# KiCad board DIP8breakout+potToUSB.kicad_pcb (continued)
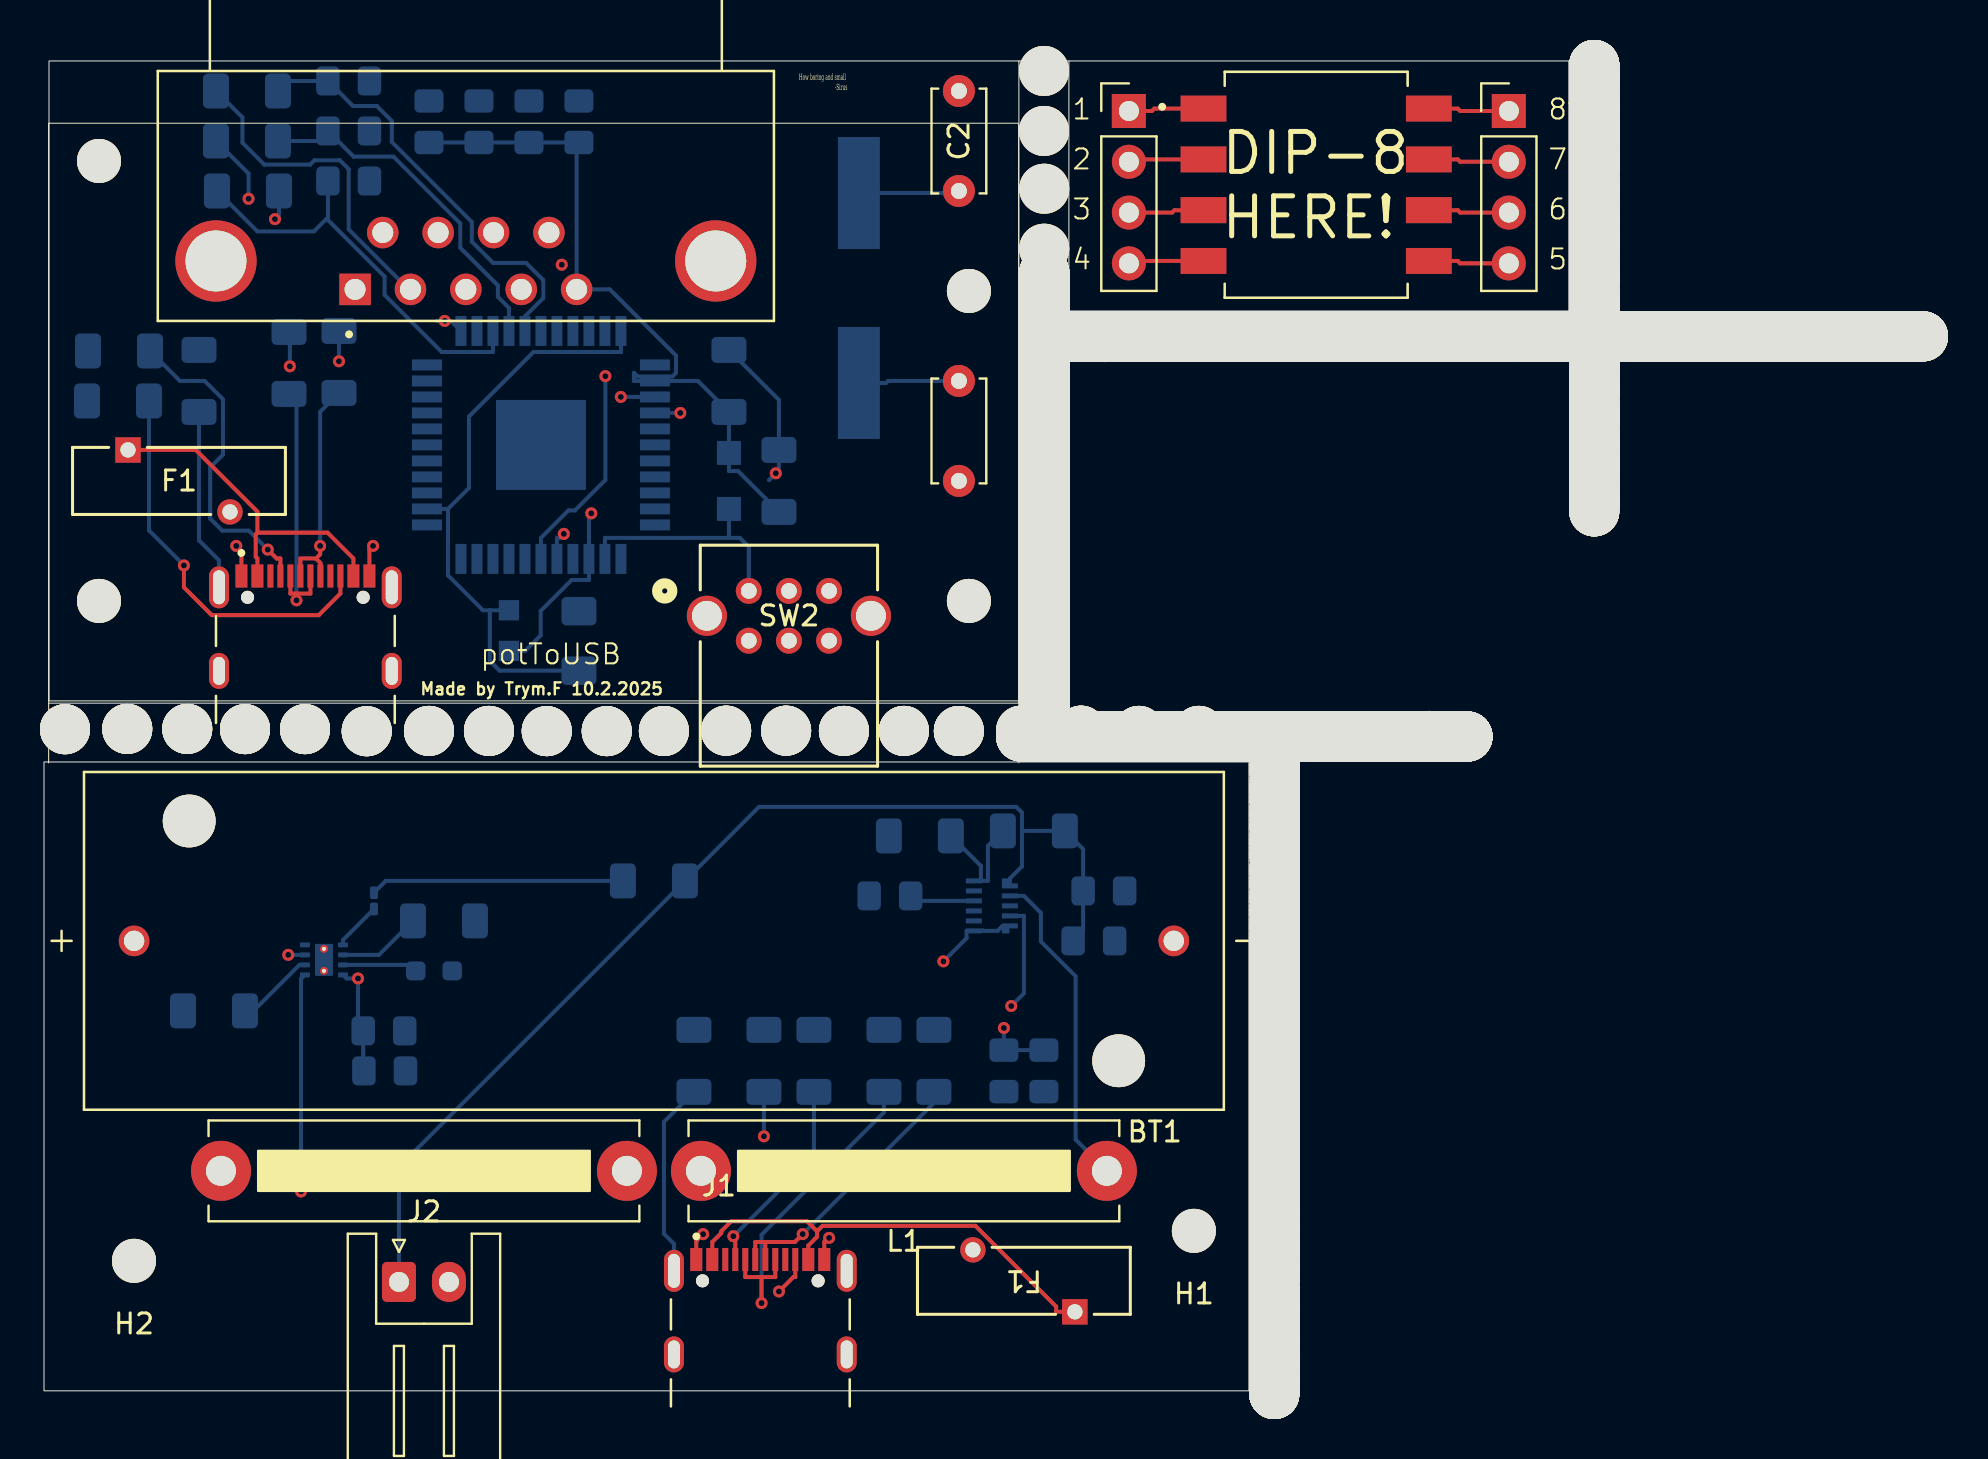
[diagram p0: board, top side]
## Placement (name value [footprint] x y rotation side) (continued)
NOREF#4963  -  [unnamed]  61.52 4.2 270 top
NOREF#4964  -  [unnamed]  61.55 11.61 90 top
NOREF#4965  -  [unnamed]  77.52 66.1 90 top
NOREF#4966  -  [unnamed]  61.55 12.77 90 top
NOREF#4967  -  [unnamed]  69.42 52.73 180 top
NOREF#4968  -  [unnamed]  56.96 52.73 180 top
NOREF#4969  -  [unnamed]  56.56 32.72 0 top
NOREF#4970  -  [unnamed]  61.55 25.89 90 top
NOREF#4971  -  [unnamed]  52.18 52.73 180 top
NOREF#4972  -  [unnamed]  61.55 17.71 90 top
NOREF#4973  -  [unnamed]  63.94 32.72 0 top
NOREF#4974  -  [unnamed]  61.55 23.33 90 top
NOREF#4975  -  [unnamed]  61.52 15.66 270 top
NOREF#4976  -  [unnamed]  72.5 52.73 180 top
NOREF#4977  -  [unnamed]  58.66 32.72 0 top
NOREF#4978  -  [unnamed]  63.74 32.72 0 top
NOREF#4979  -  [unnamed]  50.02 54.51 90 top
NOREF#4980  -  [unnamed]  58.12 32.72 0 top
NOREF#4981  -  [unnamed]  91 52.73 180 top
NOREF#4982  -  [unnamed]  61.55 10.87 90 top
NOREF#4983  -  [unnamed]  59.72 32.72 0 top
NOREF#4984  -  [unnamed]  77.52 56.84 90 top
NOREF#4985  -  [unnamed]  50.02 41.49 90 top
NOREF#4986  -  [unnamed]  61.55 16.11 90 top
NOREF#4987  -  [unnamed]  61.52 4.4 270 top
NOREF#4988  -  [unnamed]  50.02 53.65 90 top
NOREF#4989  -  [unnamed]  68.72 32.72 0 top
NOREF#4990  -  [unnamed]  63.94 32.72 0 top
NOREF#4991  -  [unnamed]  61.52 7.74 270 top
NOREF#4992  -  [unnamed]  50.02 36.25 90 top
NOREF#4993  -  [unnamed]  70.32 32.72 0 top
NOREF#4994  -  [unnamed]  61.55 14.17 90 top
NOREF#4995  -  [unnamed]  77.52 50.48 90 top
NOREF#4996  -  [unnamed]  70.98 52.73 180 top
NOREF#4997  -  [unnamed]  77.52 57.9 90 top
NOREF#4998  -  [unnamed]  61.52 19 270 top
NOREF#4999  -  [unnamed]  61.55 29.87 90 top
NOREF#5000  -  [unnamed]  76.2 52.73 180 top
NOREF#5001  -  [unnamed]  51.12 32.72 0 top
NOREF#5002  -  [unnamed]  88.54 52.73 180 top
NOREF#5003  -  [unnamed]  50.02 53.85 90 top
NOREF#5004  -  [unnamed]  61.12 52.73 180 top
NOREF#5005  -  [unnamed]  61.55 26.09 90 top
NOREF#5006  -  [unnamed]  77.52 63.54 90 top
NOREF#5007  -  [unnamed]  79.28 52.73 180 top
NOREF#5008  -  [unnamed]  50.02 51.35 90 top
NOREF#5009  -  [unnamed]  61.55 22.67 90 top
NOREF#5010  -  [unnamed]  61.52 9.3 270 top
NOREF#5011  -  [unnamed]  77.52 47.14 90 top
NOREF#5012  -  [unnamed]  61.55 19.41 90 top
NOREF#5013  -  [unnamed]  61.55 11.41 90 top
NOREF#5014  -  [unnamed]  61.55 30.33 90 top
NOREF#5015  -  [unnamed]  83.3 52.73 180 top
NOREF#5016  -  [unnamed]  63.04 52.73 180 top
NOREF#5017  -  [unnamed]  54.08 52.73 180 top
NOREF#5018  -  [unnamed]  61.52 17.6 270 top
NOREF#5019  -  [unnamed]  72.24 52.73 180 top
NOREF#5020  -  [unnamed]  61.52 18.34 270 top
NOREF#5021  -  [unnamed]  61.52 16.74 270 top
NOREF#5022  -  [unnamed]  73.04 52.73 180 top
NOREF#5023  -  [unnamed]  63.94 32.72 0 top
NOREF#5024  -  [unnamed]  61.52 20.56 270 top
NOREF#5025  -  [unnamed]  61.55 23.13 90 top
NOREF#5026  -  [unnamed]  91.3 52.73 180 top
NOREF#5027  -  [unnamed]  65.34 32.72 0 top
NOREF#5028  -  [unnamed]  50.02 44.05 90 top
NOREF#5029  -  [unnamed]  50.02 55.25 90 top
NOREF#5030  -  [unnamed]  76.66 52.73 180 top
NOREF#5031  -  [unnamed]  77.52 64.7 90 top
NOREF#5032  -  [unnamed]  50.02 41.49 90 top
NOREF#5033  -  [unnamed]  63.28 32.72 0 top
NOREF#5034  -  [unnamed]  77.52 59.06 90 top
NOREF#5035  -  [unnamed]  57.16 52.73 180 top
NOREF#5036  -  [unnamed]  61.55 30.33 90 top
NOREF#5037  -  [unnamed]  77.52 51.62 90 top
NOREF#5038  -  [unnamed]  50.02 46.65 90 top
NOREF#5039  -  [unnamed]  50.02 39.01 90 top
NOREF#5040  -  [unnamed]  58.86 32.72 0 top
NOREF#5041  -  [unnamed]  61.78 52.73 180 top
NOREF#5042  -  [unnamed]  51.12 32.72 0 top
NOREF#5043  -  [unnamed]  50.02 46.91 90 top
NOREF#5044  -  [unnamed]  61.52 8.64 270 top
NOREF#5045  -  [unnamed]  54.7 32.72 0 top
NOREF#5046  -  [unnamed]  49.06 32.72 0 top
NOREF#5047  -  [unnamed]  61.55 19.07 90 top
NOREF#5048  -  [unnamed]  61.55 9.81 90 top
NOREF#5049  -  [unnamed]  57.46 32.72 0 top
NOREF#5050  -  [unnamed]  77.52 53.98 90 top
NOREF#5051  -  [unnamed]  88.12 52.73 180 top
NOREF#5052  -  [unnamed]  61.55 14.37 90 top
NOREF#5053  -  [unnamed]  61.55 17.91 90 top
NOREF#5054  -  [unnamed]  93.56 52.73 180 top
NOREF#5055  -  [unnamed]  77.52 50.68 90 top
NOREF#5056  -  [unnamed]  61.52 7.74 270 top
NOREF#5057  -  [unnamed]  74.8 52.73 180 top
NOREF#5058  -  [unnamed]  50.02 54.31 90 top
NOREF#5059  -  [unnamed]  92.36 52.73 180 top
NOREF#5060  -  [unnamed]  61.32 52.73 180 top
NOREF#5061  -  [unnamed]  78.14 52.73 180 top
NOREF#5062  -  [unnamed]  50.02 47.11 90 top
NOREF#5063  -  [unnamed]  50.02 45.25 90 top
NOREF#5064  -  [unnamed]  61.55 12.57 90 top
NOREF#5065  -  [unnamed]  50.02 41.03 90 top
NOREF#5066  -  [unnamed]  65.34 32.72 0 top
NOREF#5067  -  [unnamed]  61.55 26.09 90 top
NOREF#5068  -  [unnamed]  78.34 52.73 180 top
NOREF#5069  -  [unnamed]  77.52 54.18 90 top
NOREF#5070  -  [unnamed]  77.52 50.22 90 top
NOREF#5071  -  [unnamed]  61.55 27.57 90 top
NOREF#5072  -  [unnamed]  66.16 32.72 0 top
NOREF#5073  -  [unnamed]  61.55 30.53 90 top
NOREF#5074  -  [unnamed]  61.52 0.04 270 top
NOREF#5075  -  [unnamed]  62.58 32.72 0 top
NOREF#5076  -  [unnamed]  61.32 52.73 180 top
NOREF#5077  -  [unnamed]  50.02 48.67 90 top
NOREF#5078  -  [unnamed]  87.72 52.73 180 top
NOREF#5079  -  [unnamed]  50.02 55.25 90 top
NOREF#5080  -  [unnamed]  61.52 11.3 270 top
NOREF#5081  -  [unnamed]  50.02 52.49 90 top
NOREF#5082  -  [unnamed]  50.02 48.21 90 top
NOREF#5083  -  [unnamed]  61.55 24.69 90 top
NOREF#5084  -  [unnamed]  50.02 50.69 90 top
NOREF#5085  -  [unnamed]  61.55 21.27 90 top
NOREF#5086  -  [unnamed]  67.56 32.72 0 top
NOREF#5087  -  [unnamed]  77.52 66.1 90 top
NOREF#5088  -  [unnamed]  61.12 52.73 180 top
NOREF#5089  -  [unnamed]  50.02 55.71 90 top
NOREF#5090  -  [unnamed]  58.86 32.72 0 top
NOREF#5091  -  [unnamed]  50.02 34.19 90 top
NOREF#5092  -  [unnamed]  50.02 36.05 90 top
NOREF#5093  -  [unnamed]  77.52 45.98 90 top
NOREF#5094  -  [unnamed]  50.02 34.65 90 top
NOREF#5095  -  [unnamed]  61.55 21.93 90 top
NOREF#5096  -  [unnamed]  53.38 52.73 180 top
NOREF#5097  -  [unnamed]  61.55 26.71 90 top
NOREF#5098  -  [unnamed]  49.26 32.72 0 top
NOREF#5099  -  [unnamed]  77.68 52.73 180 top
NOREF#5100  -  [unnamed]  61.52 14.26 270 top
NOREF#5101  -  [unnamed]  50.02 35.19 90 top
NOREF#5102  -  [unnamed]  89.6 52.73 180 top
NOREF#5103  -  [unnamed]  50.02 34.65 90 top
NOREF#5104  -  [unnamed]  74.6 52.73 180 top
NOREF#5105  -  [unnamed]  55.28 52.73 180 top
NOREF#5106  -  [unnamed]  90.8 52.73 180 top
NOREF#5107  -  [unnamed]  61.55 24.89 90 top
NOREF#5108  -  [unnamed]  77.52 66.1 90 top
NOREF#5109  -  [unnamed]  62.18 52.73 180 top
NOREF#5110  -  [unnamed]  61.55 22.13 90 top
NOREF#5111  -  [unnamed]  57.42 52.73 180 top
NOREF#5112  -  [unnamed]  77.52 57.5 90 top
NOREF#5113  -  [unnamed]  61.55 13.23 90 top
NOREF#5114  -  [unnamed]  59.02 52.73 180 top
NOREF#5115  -  [unnamed]  77.52 46.44 90 top
NOREF#5116  -  [unnamed]  67.02 32.72 0 top
NOREF#5117  -  [unnamed]  69.38 32.72 0 top
NOREF#5118  -  [unnamed]  61.55 24.03 90 top
NOREF#5119  -  [unnamed]  77.52 55.9 90 top
NOREF#5120  -  [unnamed]  82.5 52.73 180 top
NOREF#5121  -  [unnamed]  62.78 32.72 0 top
NOREF#5122  -  [unnamed]  70.78 32.72 0 top
NOREF#5123  -  [unnamed]  61.52 20.9 270 top
NOREF#5124  -  [unnamed]  61.55 17.91 90 top
NOREF#5125  -  [unnamed]  61.12 52.73 180 top
NOREF#5126  -  [unnamed]  61.55 21.27 90 top
NOREF#5127  -  [unnamed]  77.48 52.73 180 top
NOREF#5128  -  [unnamed]  61.55 14.83 90 top
NOREF#5129  -  [unnamed]  77.52 51.22 90 top
NOREF#5130  -  [unnamed]  50.02 45.71 90 top
NOREF#5131  -  [unnamed]  76.2 52.73 180 top
NOREF#5132  -  [unnamed]  72.38 52.73 180 top
NOREF#5133  -  [unnamed]  67.36 32.72 0 top
NOREF#5134  -  [unnamed]  61.55 12.77 90 top
NOREF#5135  -  [unnamed]  77.52 53.44 90 top
NOREF#5136  -  [unnamed]  80.24 52.73 180 top
NOREF#5137  -  [unnamed]  52.92 52.73 180 top
NOREF#5138  -  [unnamed]  64.48 32.72 0 top
NOREF#5139  -  [unnamed]  54.9 32.72 0 top
NOREF#5140  -  [unnamed]  50.02 33.59 90 top
NOREF#5141  -  [unnamed]  77.52 49.2 90 top
NOREF#5142  -  [unnamed]  61.52 18.8 270 top
NOREF#5143  -  [unnamed]  50.02 34.65 90 top
NOREF#5144  -  [unnamed]  61.52 20.36 270 top
NOREF#5145  -  [unnamed]  61.55 13.97 90 top
NOREF#5146  -  [unnamed]  50.02 51.75 90 top
NOREF#5147  -  [unnamed]  61.55 22.47 90 top
NOREF#5148  -  [unnamed]  61.52 16.32 270 top
NOREF#5149  -  [unnamed]  77.52 47.34 90 top
NOREF#5150  -  [unnamed]  88.74 52.73 180 top
NOREF#5151  -  [unnamed]  61.52 7.94 270 top
NOREF#5152  -  [unnamed]  68.88 52.73 180 top
NOREF#5153  -  [unnamed]  73.24 52.73 180 top
NOREF#5154  -  [unnamed]  49.92 32.72 0 top
NOREF#5155  -  [unnamed]  50.02 38.81 90 top
NOREF#5156  -  [unnamed]  65.54 52.73 180 top
NOREF#5157  -  [unnamed]  62.78 52.73 180 top
NOREF#5158  -  [unnamed]  61.72 32.72 0 top
NOREF#5159  -  [unnamed]  64.64 52.73 180 top
NOREF#5160  -  [unnamed]  50.02 39.83 90 top
NOREF#5161  -  [unnamed]  67.02 32.72 0 top
NOREF#5162  -  [unnamed]  53.88 32.72 0 top
NOREF#5163  -  [unnamed]  87.06 52.73 180 top
NOREF#5164  -  [unnamed]  61.55 10.01 90 top
NOREF#5165  -  [unnamed]  77.94 52.73 180 top
NOREF#5166  -  [unnamed]  68.22 52.73 180 top
NOREF#5167  -  [unnamed]  61.55 31.53 90 top
NOREF#5168  -  [unnamed]  66.54 52.73 180 top
NOREF#5169  -  [unnamed]  61.52 1.24 270 top
NOREF#5170  -  [unnamed]  77.52 46.44 90 top
NOREF#5171  -  [unnamed]  49.26 32.72 0 top
NOREF#5172  -  [unnamed]  50.02 44.45 90 top
NOREF#5173  -  [unnamed]  64.88 32.72 0 top
NOREF#5174  -  [unnamed]  77.52 64.04 90 top
NOREF#5175  -  [unnamed]  50.02 44.65 90 top
NOREF#5176  -  [unnamed]  70.52 32.72 0 top
NOREF#5177  -  [unnamed]  78.34 52.73 180 top
NOREF#5178  -  [unnamed]  50.02 53.45 90 top
NOREF#5179  -  [unnamed]  61.55 19.07 90 top
NOREF#5180  -  [unnamed]  61.52 15.26 270 top
NOREF#5181  -  [unnamed]  61.55 18.87 90 top
NOREF#5182  -  [unnamed]  72.3 52.73 180 top
NOREF#5183  -  [unnamed]  50.02 55.91 90 top
NOREF#5184  -  [unnamed]  50.02 36.25 90 top
NOREF#5185  -  [unnamed]  70.78 32.72 0 top
NOREF#5186  -  [unnamed]  61.55 25.43 90 top
NOREF#5187  -  [unnamed]  50.02 38.81 90 top
NOREF#5188  -  [unnamed]  61.55 11.61 90 top
NOREF#5189  -  [unnamed]  85.56 52.73 180 top
NOREF#5190  -  [unnamed]  59.06 32.72 0 top
NOREF#5191  -  [unnamed]  61.55 14.17 90 top
NOREF#5192  -  [unnamed]  50.02 34.85 90 top
NOREF#5193  -  [unnamed]  92.9 52.73 180 top
NOREF#5194  -  [unnamed]  77.52 49.4 90 top
NOREF#5195  -  [unnamed]  68.88 52.73 180 top
NOREF#5196  -  [unnamed]  80.04 52.73 180 top
NOREF#5197  -  [unnamed]  77.52 58.6 90 top
NOREF#5198  -  [unnamed]  77.52 63.34 90 top
NOREF#5199  -  [unnamed]  77.52 61.28 90 top
NOREF#5200  -  [unnamed]  62.12 32.72 0 top
NOREF#5201  -  [unnamed]  50.02 54.51 90 top
NOREF#5202  -  [unnamed]  61.52 19.4 270 top
NOREF#5203  -  [unnamed]  70.78 52.73 180 top
NOREF#5204  -  [unnamed]  89.94 52.73 180 top
NOREF#5205  -  [unnamed]  77.52 54.44 90 top
NOREF#5206  -  [unnamed]  50.02 34.19 90 top
NOREF#5207  -  [unnamed]  50.02 34.65 90 top
NOREF#5208  -  [unnamed]  75.26 52.73 180 top
NOREF#5209  -  [unnamed]  50.02 52.09 90 top
NOREF#5210  -  [unnamed]  60.52 32.72 0 top
NOREF#5211  -  [unnamed]  50.02 39.01 90 top
NOREF#5212  -  [unnamed]  61.55 24.69 90 top
NOREF#5213  -  [unnamed]  69.38 32.72 0 top
NOREF#5214  -  [unnamed]  49.92 32.72 0 top
NOREF#5215  -  [unnamed]  50.02 44.25 90 top
NOREF#5216  -  [unnamed]  61.55 25.23 90 top
NOREF#5217  -  [unnamed]  76 52.73 180 top
NOREF#5218  -  [unnamed]  61.55 15.65 90 top
NOREF#5219  -  [unnamed]  61.55 15.65 90 top
NOREF#5220  -  [unnamed]  77.52 49 90 top
NOREF#5221  -  [unnamed]  93.56 52.73 180 top
NOREF#5222  -  [unnamed]  50.02 52.95 90 top
NOREF#5223  -  [unnamed]  73.24 52.73 180 top
NOREF#5224  -  [unnamed]  60.12 52.73 180 top
NOREF#5225  -  [unnamed]  77.52 47.14 90 top
NOREF#5226  -  [unnamed]  63.08 32.72 0 top
NOREF#5227  -  [unnamed]  50.02 50.07 90 top
NOREF#5228  -  [unnamed]  61.52 15.46 270 top
NOREF#5229  -  [unnamed]  61.55 14.83 90 top
NOREF#5230  -  [unnamed]  77.52 52.28 90 top
NOREF#5231  -  [unnamed]  77.52 56.1 90 top
NOREF#5232  -  [unnamed]  77.52 58.2 90 top
NOREF#5233  -  [unnamed]  77.52 57.5 90 top
NOREF#5234  -  [unnamed]  61.52 5.48 270 top
NOREF#5235  -  [unnamed]  77.52 51.22 90 top
NOREF#5236  -  [unnamed]  76.86 52.73 180 top
NOREF#5237  -  [unnamed]  50.02 55.05 90 top
NOREF#5238  -  [unnamed]  64.64 52.73 180 top
NOREF#5239  -  [unnamed]  80.9 52.73 180 top
NOREF#5240  -  [unnamed]  77.52 44.38 90 top
NOREF#5241  -  [unnamed]  77.52 55.64 90 top
NOREF#5242  -  [unnamed]  61.52 16.94 270 top
NOREF#5243  -  [unnamed]  61.52 16.12 270 top
NOREF#5244  -  [unnamed]  61.55 31.53 90 top
NOREF#5245  -  [unnamed]  73.44 52.73 180 top
NOREF#5246  -  [unnamed]  61.52 0.9 270 top
NOREF#5247  -  [unnamed]  92.36 52.73 180 top
NOREF#5248  -  [unnamed]  53.58 52.73 180 top
NOREF#5249  -  [unnamed]  50.02 55.05 90 top
NOREF#5250  -  [unnamed]  61.52 18.34 270 top
NOREF#5251  -  [unnamed]  61.55 12.57 90 top
NOREF#5252  -  [unnamed]  49.72 32.72 0 top
NOREF#5253  -  [unnamed]  61.55 26.71 90 top
NOREF#5254  -  [unnamed]  88.94 52.73 180 top
NOREF#5255  -  [unnamed]  69.38 32.72 0 top
NOREF#5256  -  [unnamed]  50.02 34.65 90 top
NOREF#5257  -  [unnamed]  61.98 52.73 180 top
NOREF#5258  -  [unnamed]  51.98 52.73 180 top
NOREF#5259  -  [unnamed]  77.52 46.74 90 top
NOREF#5260  -  [unnamed]  82.3 52.73 180 top
NOREF#5261  -  [unnamed]  82.5 52.73 180 top
NOREF#5262  -  [unnamed]  56.76 32.72 0 top
NOREF#5263  -  [unnamed]  50.02 45.05 90 top
NOREF#5264  -  [unnamed]  61.72 32.72 0 top
NOREF#5265  -  [unnamed]  61.52 6.34 270 top
NOREF#5266  -  [unnamed]  77.52 48.8 90 top
NOREF#5267  -  [unnamed]  61.52 16.12 270 top
NOREF#5268  -  [unnamed]  79.74 52.73 180 top
NOREF#5269  -  [unnamed]  61.52 3.26 270 top
NOREF#5270  -  [unnamed]  64.94 32.72 0 top
NOREF#5271  -  [unnamed]  61.55 16.11 90 top
NOREF#5272  -  [unnamed]  50.02 37.21 90 top
NOREF#5273  -  [unnamed]  65.96 32.72 0 top
NOREF#5274  -  [unnamed]  61.55 26.71 90 top
NOREF#5275  -  [unnamed]  50.02 33.79 90 top
NOREF#5276  -  [unnamed]  61.55 24.69 90 top
NOREF#5277  -  [unnamed]  61.55 15.85 90 top
NOREF#5278  -  [unnamed]  52.02 32.72 0 top
NOREF#5279  -  [unnamed]  75.06 52.73 180 top
NOREF#5280  -  [unnamed]  80.9 52.73 180 top
NOREF#5281  -  [unnamed]  85.66 52.73 180 top
NOREF#5282  -  [unnamed]  65.54 32.72 0 top
NOREF#5283  -  [unnamed]  51.32 52.73 180 top
NOREF#5284  -  [unnamed]  77.52 52.08 90 top
NOREF#5285  -  [unnamed]  59.42 52.73 180 top
NOREF#5286  -  [unnamed]  61.52 4 270 top
NOREF#5287  -  [unnamed]  61.55 20.47 90 top
NOREF#5288  -  [unnamed]  53.38 52.73 180 top
NOREF#5289  -  [unnamed]  49.52 32.72 0 top
NOREF#5290  -  [unnamed]  61.55 16.85 90 top
NOREF#5291  -  [unnamed]  61.55 27.77 90 top
NOREF#5292  -  [unnamed]  50.02 35.85 90 top
NOREF#5293  -  [unnamed]  77.52 53.98 90 top
NOREF#5294  -  [unnamed]  61.55 15.03 90 top
NOREF#5295  -  [unnamed]  61.52 14.06 270 top
NOREF#5296  -  [unnamed]  58.56 52.73 180 top
NOREF#5297  -  [unnamed]  61.55 15.65 90 top
NOREF#5298  -  [unnamed]  68.22 52.73 180 top
NOREF#5299  -  [unnamed]  77.52 46.44 90 top
NOREF#5300  -  [unnamed]  77.52 46.94 90 top
NOREF#5301  -  [unnamed]  62.12 32.72 0 top
NOREF#5302  -  [unnamed]  61.55 31.27 90 top
NOREF#5303  -  [unnamed]  66.94 52.73 180 top
NOREF#5304  -  [unnamed]  60.38 52.73 180 top
NOREF#5305  -  [unnamed]  77.52 62.88 90 top
NOREF#5306  -  [unnamed]  61.55 28.11 90 top
NOREF#5307  -  [unnamed]  61.52 16.12 270 top
NOREF#5308  -  [unnamed]  56.96 32.72 0 top
NOREF#5309  -  [unnamed]  69.58 32.72 0 top
NOREF#5310  -  [unnamed]  65.34 32.72 0 top
NOREF#5311  -  [unnamed]  50.02 50.27 90 top
NOREF#5312  -  [unnamed]  91.5 52.73 180 top
NOREF#5313  -  [unnamed]  50.02 49.41 90 top
NOREF#5314  -  [unnamed]  61.55 21.53 90 top
NOREF#5315  -  [unnamed]  50.02 38.35 90 top
NOREF#5316  -  [unnamed]  50.02 45.05 90 top
NOREF#5317  -  [unnamed]  86.26 52.73 180 top
NOREF#5318  -  [unnamed]  77.52 51.22 90 top
NOREF#5319  -  [unnamed]  54.94 52.73 180 top
NOREF#5320  -  [unnamed]  61.52 14.92 270 top
NOREF#5321  -  [unnamed]  61.55 18.87 90 top
NOREF#5322  -  [unnamed]  50.02 55.05 90 top
NOREF#5323  -  [unnamed]  49.72 32.72 0 top
NOREF#5324  -  [unnamed]  61.55 23.13 90 top
NOREF#5325  -  [unnamed]  61.52 14.52 270 top
NOREF#5326  -  [unnamed]  77.52 64.24 90 top
NOREF#5327  -  [unnamed]  61.55 21.93 90 top
NOREF#5328  -  [unnamed]  50.02 54.11 90 top
NOREF#5329  -  [unnamed]  67.36 32.72 0 top
NOREF#5330  -  [unnamed]  60.92 52.73 180 top
NOREF#5331  -  [unnamed]  61.52 5.88 270 top
NOREF#5332  -  [unnamed]  61.52 11.3 270 top
NOREF#5333  -  [unnamed]  72.58 52.73 180 top
NOREF#5334  -  [unnamed]  92.16 52.73 180 top
NOREF#5335  -  [unnamed]  69.38 32.72 0 top
NOREF#5336  -  [unnamed]  70.48 52.73 180 top
NOREF#5337  -  [unnamed]  63.94 32.72 0 top
NOREF#5338  -  [unnamed]  77.52 44.84 90 top
NOREF#5339  -  [unnamed]  50.02 37.61 90 top
NOREF#5340  -  [unnamed]  61.52 14.26 270 top
NOREF#5341  -  [unnamed]  61.52 16.12 270 top
NOREF#5342  -  [unnamed]  77.52 58.2 90 top
NOREF#5343  -  [unnamed]  61.55 14.63 90 top
NOREF#5344  -  [unnamed]  61.52 4.4 270 top
NOREF#5345  -  [unnamed]  77.52 57.7 90 top
NOREF#5346  -  [unnamed]  87.92 52.73 180 top
NOREF#5347  -  [unnamed]  77.52 62.88 90 top
NOREF#5348  -  [unnamed]  54.28 52.73 180 top
NOREF#5349  -  [unnamed]  59.52 52.73 180 top
NOREF#5350  -  [unnamed]  55.68 52.73 180 top
NOREF#5351  -  [unnamed]  74.8 52.73 180 top
NOREF#5352  -  [unnamed]  61.52 14.06 270 top
NOREF#5353  -  [unnamed]  50.02 37.01 90 top
NOREF#5354  -  [unnamed]  60.52 32.72 0 top
NOREF#5355  -  [unnamed]  77.52 66.3 90 top
NOREF#5356  -  [unnamed]  50.02 55.51 90 top
NOREF#5357  -  [unnamed]  60.98 32.72 0 top
NOREF#5358  -  [unnamed]  77.52 54.84 90 top
NOREF#5359  -  [unnamed]  77.52 45.04 90 top
NOREF#5360  -  [unnamed]  77.52 52.78 90 top
NOREF#5361  -  [unnamed]  72.04 52.73 180 top
NOREF#5362  -  [unnamed]  50.02 34.99 90 top
NOREF#5363  -  [unnamed]  61.52 17.4 270 top
NOREF#5364  -  [unnamed]  61.52 6.08 270 top
NOREF#5365  -  [unnamed]  86.52 52.73 180 top
NOREF#5366  -  [unnamed]  61.52 5.06 270 top
NOREF#5367  -  [unnamed]  50.02 40.09 90 top
NOREF#5368  -  [unnamed]  61.55 11.61 90 top
NOREF#5369  -  [unnamed]  70.28 52.73 180 top
NOREF#5370  -  [unnamed]  77.52 54.64 90 top
NOREF#5371  -  [unnamed]  68.68 52.73 180 top
NOREF#5372  -  [unnamed]  77.52 56.84 90 top
NOREF#5373  -  [unnamed]  61.52 10.5 270 top
NOREF#5374  -  [unnamed]  81.44 52.73 180 top
NOREF#5375  -  [unnamed]  50.02 40.83 90 top
NOREF#5376  -  [unnamed]  68.88 52.73 180 top
NOREF#5377  -  [unnamed]  93.56 52.73 180 top
NOREF#5378  -  [unnamed]  61.52 9.84 270 top
NOREF#5379  -  [unnamed]  61.52 15.46 270 top
NOREF#5380  -  [unnamed]  77.52 53.64 90 top
NOREF#5381  -  [unnamed]  77.52 65.24 90 top
NOREF#5382  -  [unnamed]  50.02 47.11 90 top
NOREF#5383  -  [unnamed]  61.55 28.97 90 top
NOREF#5384  -  [unnamed]  77.52 62.68 90 top
NOREF#5385  -  [unnamed]  61.55 14.37 90 top
NOREF#5386  -  [unnamed]  50.02 44.25 90 top
NOREF#5387  -  [unnamed]  50.02 42.39 90 top
NOREF#5388  -  [unnamed]  89.6 52.73 180 top
NOREF#5389  -  [unnamed]  61.52 18.8 270 top
NOREF#5390  -  [unnamed]  61.98 52.73 180 top
NOREF#5391  -  [unnamed]  77.52 62.28 90 top
NOREF#5392  -  [unnamed]  50.02 43.99 90 top
NOREF#5393  -  [unnamed]  77.52 66.1 90 top
NOREF#5394  -  [unnamed]  62.58 52.73 180 top
NOREF#5395  -  [unnamed]  61.55 19.81 90 top
NOREF#5396  -  [unnamed]  61.52 19 270 top
NOREF#5397  -  [unnamed]  61.52 11.3 270 top
NOREF#5398  -  [unnamed]  77.52 47.8 90 top
NOREF#5399  -  [unnamed]  61.55 18.21 90 top
NOREF#5400  -  [unnamed]  67.56 32.72 0 top
NOREF#5401  -  [unnamed]  83.56 52.73 180 top
NOREF#5402  -  [unnamed]  64.64 52.73 180 top
NOREF#5403  -  [unnamed]  62.78 52.73 180 top
NOREF#5404  -  [unnamed]  57.82 52.73 180 top
NOREF#5405  -  [unnamed]  50.02 55.05 90 top
NOREF#5406  -  [unnamed]  61.55 12.77 90 top
NOREF#5407  -  [unnamed]  91.9 52.73 180 top
NOREF#5408  -  [unnamed]  50.02 43.59 90 top
NOREF#5409  -  [unnamed]  50.02 49.87 90 top
NOREF#5410  -  [unnamed]  49.92 32.72 0 top
NOREF#5411  -  [unnamed]  52.48 32.72 0 top
NOREF#5412  -  [unnamed]  61.52 12.5 270 top
NOREF#5413  -  [unnamed]  81.64 52.73 180 top
NOREF#5414  -  [unnamed]  72.58 52.73 180 top
NOREF#5415  -  [unnamed]  61.55 10.47 90 top
NOREF#5416  -  [unnamed]  61.55 14.83 90 top
NOREF#5417  -  [unnamed]  61.52 11.3 270 top
NOREF#5418  -  [unnamed]  93.76 52.73 180 top
NOREF#5419  -  [unnamed]  61.52 1.44 270 top
NOREF#5420  -  [unnamed]  76 52.73 180 top
NOREF#5421  -  [unnamed]  77.52 62.88 90 top
NOREF#5422  -  [unnamed]  77.52 55.64 90 top
NOREF#5423  -  [unnamed]  50.02 55.05 90 top
NOREF#5424  -  [unnamed]  86.06 52.73 180 top
NOREF#5425  -  [unnamed]  61.52 0.7 270 top
NOREF#5426  -  [unnamed]  66.16 32.72 0 top
NOREF#5427  -  [unnamed]  51.52 32.72 0 top
NOREF#5428  -  [unnamed]  81.64 52.73 180 top
NOREF#5429  -  [unnamed]  59.02 52.73 180 top
NOREF#5430  -  [unnamed]  51.82 32.72 0 top
NOREF#5431  -  [unnamed]  66 52.73 180 top
NOREF#5432  -  [unnamed]  61.55 28.11 90 top
NOREF#5433  -  [unnamed]  61.55 17.71 90 top
NOREF#5434  -  [unnamed]  50.02 55.91 90 top
NOREF#5435  -  [unnamed]  77.52 46.24 90 top
NOREF#5436  -  [unnamed]  61.55 20.47 90 top
NOREF#5437  -  [unnamed]  77.52 60.66 90 top
NOREF#5438  -  [unnamed]  61.55 30.13 90 top
NOREF#5439  -  [unnamed]  88.74 52.73 180 top
NOREF#5440  -  [unnamed]  87.92 52.73 180 top
NOREF#5441  -  [unnamed]  77.52 49 90 top
NOREF#5442  -  [unnamed]  61.52 17.6 270 top
NOREF#5443  -  [unnamed]  61.52 18.8 270 top
NOREF#5444  -  [unnamed]  61.52 14.26 270 top
NOREF#5445  -  [unnamed]  61.55 23.33 90 top
NOREF#5446  -  [unnamed]  61.52 15.66 270 top
NOREF#5447  -  [unnamed]  63.54 32.72 0 top
NOREF#5448  -  [unnamed]  78.88 52.73 180 top
NOREF#5449  -  [unnamed]  61.52 20.16 270 top
NOREF#5450  -  [unnamed]  68.68 52.73 180 top
NOREF#5451  -  [unnamed]  61.52 0.5 270 top
NOREF#5452  -  [unnamed]  50.02 51.55 90 top
NOREF#5453  -  [unnamed]  71.64 52.73 180 top
NOREF#5454  -  [unnamed]  83.76 52.73 180 top
NOREF#5455  -  [unnamed]  68.68 52.73 180 top
NOREF#5456  -  [unnamed]  61.52 18 270 top
NOREF#5457  -  [unnamed]  71.18 52.73 180 top
NOREF#5458  -  [unnamed]  88.94 52.73 180 top
NOREF#5459  -  [unnamed]  77.52 48.74 90 top
NOREF#5460  -  [unnamed]  61.55 19.07 90 top
NOREF#5461  -  [unnamed]  77.52 53.24 90 top
NOREF#5462  -  [unnamed]  65.54 32.72 0 top
NOREF#5463  -  [unnamed]  50.02 38.81 90 top
NOREF#5464  -  [unnamed]  59.02 52.73 180 top
NOREF#5465  -  [unnamed]  62.78 32.72 0 top
NOREF#5466  -  [unnamed]  61.55 19.81 90 top
NOREF#5467  -  [unnamed]  81.1 52.73 180 top
NOREF#5468  -  [unnamed]  63.74 32.72 0 top
NOREF#5469  -  [unnamed]  89.4 52.73 180 top
NOREF#5470  -  [unnamed]  61.52 4.2 270 top
NOREF#5471  -  [unnamed]  79.08 52.73 180 top
NOREF#5472  -  [unnamed]  58.52 32.72 0 top
NOREF#5473  -  [unnamed]  61.55 17.31 90 top
NOREF#5474  -  [unnamed]  77.52 53.24 90 top
NOREF#5475  -  [unnamed]  50.02 52.49 90 top
NOREF#5476  -  [unnamed]  68.68 52.73 180 top
NOREF#5477  -  [unnamed]  59.92 32.72 0 top
NOREF#5478  -  [unnamed]  61.52 2.6 270 top
NOREF#5479  -  [unnamed]  76.46 52.73 180 top
NOREF#5480  -  [unnamed]  52.68 32.72 0 top
NOREF#5481  -  [unnamed]  50.02 53.85 90 top
NOREF#5482  -  [unnamed]  61.52 17.8 270 top
NOREF#5483  -  [unnamed]  50.02 37.21 90 top
NOREF#5484  -  [unnamed]  50.02 37.61 90 top
NOREF#5485  -  [unnamed]  50.02 36.55 90 top
NOREF#5486  -  [unnamed]  61.52 1.9 270 top
NOREF#5487  -  [unnamed]  93.1 52.73 180 top
NOREF#5488  -  [unnamed]  62.98 52.73 180 top
NOREF#5489  -  [unnamed]  70.32 32.72 0 top
NOREF#5490  -  [unnamed]  50.02 48.47 90 top
NOREF#5491  -  [unnamed]  77.52 49.82 90 top
NOREF#5492  -  [unnamed]  61.52 6.54 270 top
NOREF#5493  -  [unnamed]  77.52 53.24 90 top
NOREF#5494  -  [unnamed]  61.55 10.47 90 top
NOREF#5495  -  [unnamed]  69.82 52.73 180 top
NOREF#5496  -  [unnamed]  51.12 32.72 0 top
NOREF#5497  -  [unnamed]  51.32 52.73 180 top
NOREF#5498  -  [unnamed]  61.52 3.66 270 top
NOREF#5499  -  [unnamed]  57.16 32.72 0 top
NOREF#5500  -  [unnamed]  77.52 45.24 90 top
NOREF#5501  -  [unnamed]  50.02 54.11 90 top
NOREF#5502  -  [unnamed]  61.55 10.87 90 top
NOREF#5503  -  [unnamed]  61.52 21.96 270 top
NOREF#5504  -  [unnamed]  77.52 50.88 90 top
NOREF#5505  -  [unnamed]  61.52 1.64 270 top
NOREF#5506  -  [unnamed]  50.02 51.75 90 top
NOREF#5507  -  [unnamed]  50.02 53.45 90 top
NOREF#5508  -  [unnamed]  77.52 57.04 90 top
NOREF#5509  -  [unnamed]  77.52 44.18 90 top
NOREF#5510  -  [unnamed]  77.52 55.04 90 top
NOREF#5511  -  [unnamed]  77.48 52.73 180 top
NOREF#5512  -  [unnamed]  50.02 35.39 90 top
NOREF#5513  -  [unnamed]  61.55 10.47 90 top
NOREF#5514  -  [unnamed]  56.54 52.73 180 top
NOREF#5515  -  [unnamed]  61.55 12.07 90 top